# Altium PCB HIVE_BOARD.PcbDoc (part 1 of 9) (continued)
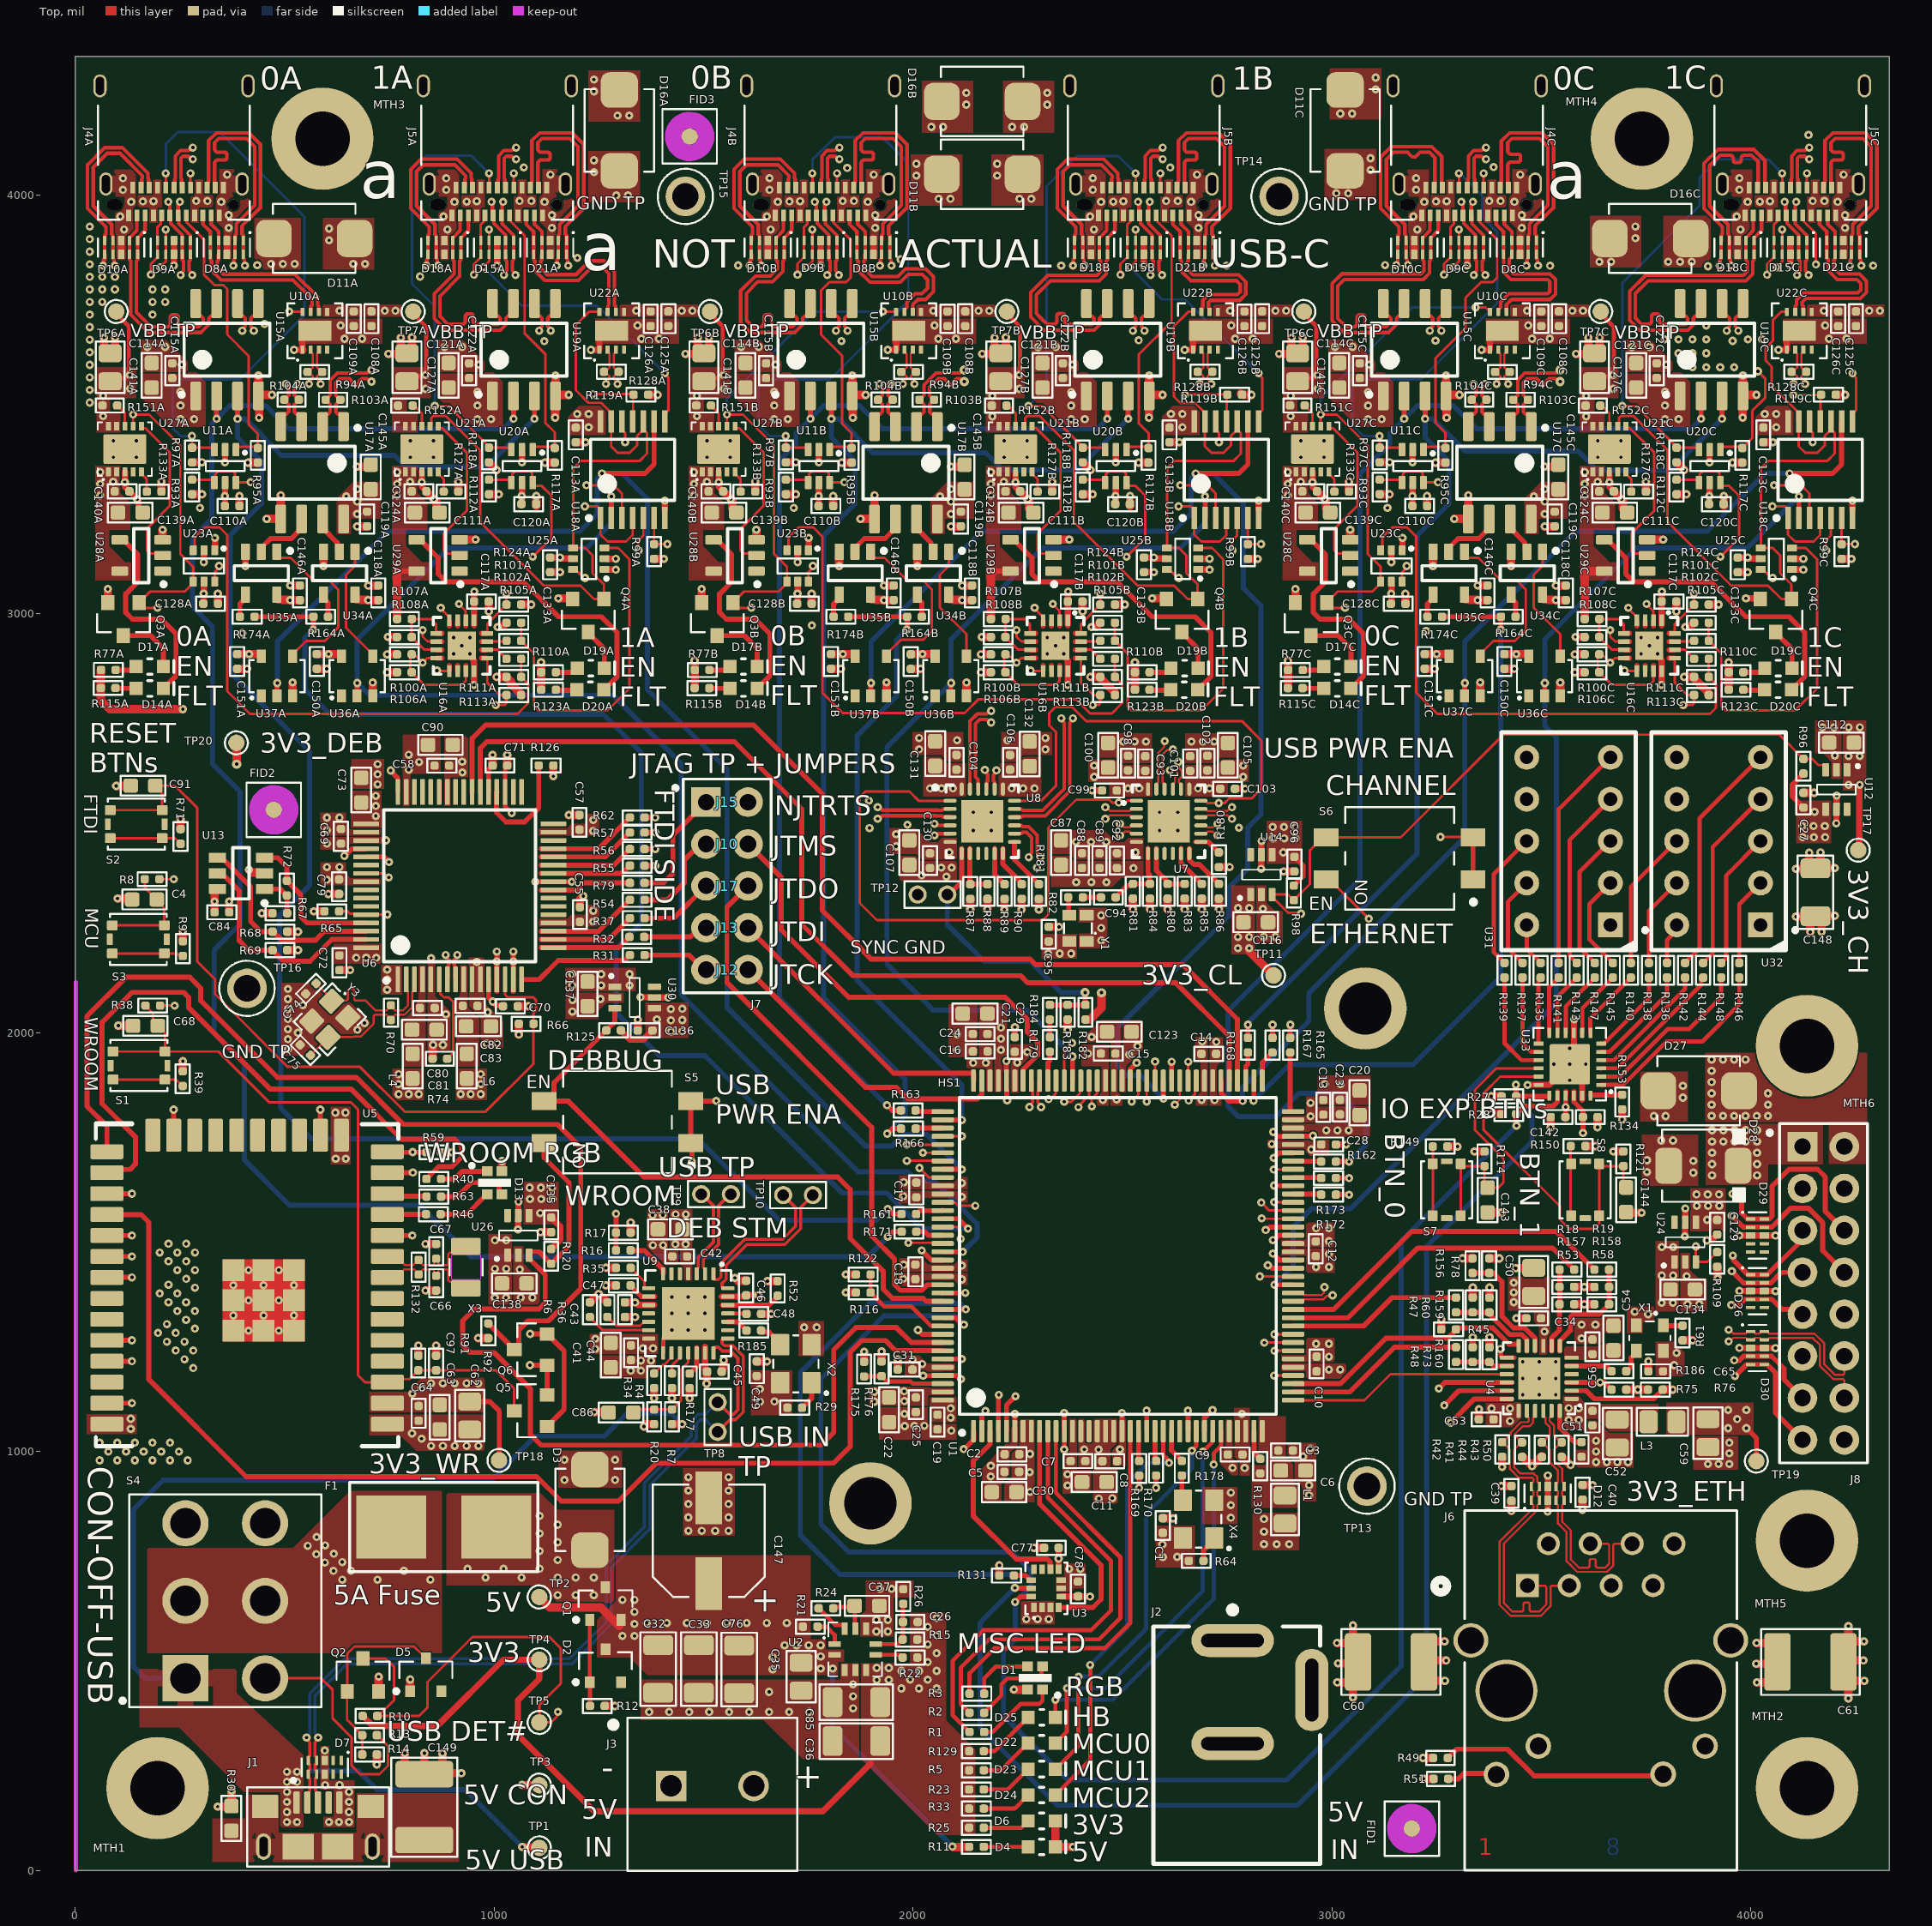
[diagram p0: Top view]
## Classes and differential pairs (continued)
differential pair BB_SPI_CLK_0A: +BB_SPI_CLK_0A_P -BB_SPI_CLK_0A_N
differential pair BB_CLK_1C: +BB_CLK_1B_P -BB_CLK_1B_N
differential pair BB_CLK_1B: +BB_CLK_1C_P -BB_CLK_1C_N
differential pair BB_CLK_1A: +BB_CLK_1A_P -BB_CLK_1A_N
differential pair BB_CLK_0C: +BB_CLK_0B_P -BB_CLK_0B_N
differential pair BB_CLK_0B: +BB_CLK_0C_P -BB_CLK_0C_N
differential pair BB_CLK_0A: +BB_CLK_0A_P -BB_CLK_0A_N
differential pair 32K_X: +32K_X_P -32K_X_N

## Components (designator, comment, footprint, x,y, rotation, side; value= is the part's Value field where it differs from the comment)
C1 "CGA2B3X7R1E104K050BB" CAP_CER_0402 2596.31,823.57 r270 top value=100nF
C2 "CGA2B3X7R1E104K050BB" CAP_CER_0402 2236.45,993.6 r180 top value=100nF
C3 "CGA2B3X7R1E104K050BB" CAP_CER_0402 2889.48,1002.67 r180 top value=100nF
C4 "C0603C105K8PACTU" CAP_CER_0603 165.73,2317.75 r180 top value=1uF
C5 "CGA2B3X7R1E104K050BB" CAP_CER_0402 2235.95,951.6 r0 top value=100nF
C6 "C0603C105K8PACTU" CAP_CER_0603 2907.48,954.67 r0 top value=1uF
C7 "CGA2B3X7R1E104K050BB" CAP_CER_0402 2393.91,977.37 r0 top value=100nF
C8 "CGA2B3X7R1E104K050BB" CAP_CER_0402 2469.78,977.19 r180 top value=100nF
C9 "CGA2B3X7R1E104K050BB" CAP_CER_0402 2769,993 r0 top value=100nF
C10 "CGA2B3X7R1E104K050BB" CAP_CER_0402 2963.39,1209.17 r270 top value=100nF
C11 "CL10A475MA8NQNC" CAP_CER_0603 2432.92,927.21 r180 top value=4.7uF
C12 "CGA2B3X7R1E104K050BB" CAP_CER_0402 2961.42,1484.08 r270 top value=100nF
C13 "CGA2B3X7R1E104K050BB" CAP_CER_0402 2979.62,1821.75 r90 top value=100nF
C14 "CGA2B3X7R1E104K050BB" CAP_CER_0402 2705.91,1949.37 r180 top value=100nF
C15 "CGA2B3X7R1E104K050BB" CAP_CER_0402 2466,1950 r0 top value=100nF
C16 "CGA2B3X7R1E104K050BB" CAP_CER_0402 2160.6,1955.27 r180 top value=100nF
C17 "CGA2B3X7R1E104K050BB" CAP_CER_0402 2008.01,1624.47 r90 top value=100nF
C18 "CGA2B3X7R1E104K050BB" CAP_CER_0402 2005.72,1428.95 r90 top value=100nF
C19 "CGA2B3X7R1E104K050BB" CAP_CER_0402 2058.65,1070.52 r270 top value=100nF
C20 "CL10A475MA8NQNC" CAP_CER_0603 3066.07,1832.49 r270 top value=4.7uF
C21 "CL10A475MA8NQNC" CAP_CER_0603 2148.33,2045.47 r0 top value=4.7uF
C22 "CL10A475MA8NQNC" CAP_CER_0603 1943,1100 r90 top value=4.7uF
C23 "CGA2B3X7R1E104K050BB" CAP_CER_0402 3019.31,1822.28 r270 top value=100nF
C24 "CGA2B3X7R1E104K050BB" CAP_CER_0402 2160.37,1996.65 r0 top value=100nF
C25 "CGA2B3X7R1E104K050BB" CAP_CER_0402 2006.96,1111.81 r90 top value=100nF
C26 "CL05C390JB51PNC" CAP_CER_0402 1993.74,593.33 r0 top value=39pF
C27 "CGA2B3X7R1E104K050BB" CAP_CER_0402 4125.61,2554.92 r90 top value=100nF
C28 "C1005X5R1V225K050BC" CAP_CER_0402 2992.17,1732.94 r180 top value=2.2uF
C29 "C1005X5R1V225K050BC" CAP_CER_0402 2243,1971.78 r270 top value=2.2uF
C30 "C0603C105K8PACTU" CAP_CER_0603 2217.68,903.31 r180 top value=1uF
C31 "C1005X5R1V225K050BC" CAP_CER_0402 1981.25,1195.75 r0 top value=2.2uF
C32 "CL31A226KAHNNNE" CAP_CER_1206 1391.88,481.11 r90 top value=22uF
C33 "CL31A226KAHNNNE" CAP_CER_1206 1488.88,481.11 r90 top value=22uF
C34 "CGA2B3X7R1E104K050BB" CAP_CER_0402 3481.75,1318.2 r0 top value=100nF
C35 "LMK212BJ106KG-T" CAP_CER_0805 1733.18,462.89 r90 top value=10uF
C36 "CL31A226KAHNNNE" CAP_CER_1206 1865,308.95 r0 top value=22uF
C37 "C0603C105K8PACTU" CAP_CER_0603 1890.26,631.98 r0 top value=1uF
C38 "C0603C105K8PACTU" CAP_CER_0603 1420.77,1530.6 r180 top value=1uF
C39 "CGA2B3X7R1E104K050BB" CAP_CER_0402 3428.59,900.16 r90 top value=100nF
C40 "CGA2B3X7R1E104K050BB" CAP_CER_0402 3598.28,902.91 r90 top value=100nF
C41 "CL10A475KP8NNNC" CAP_CER_0603 1278.71,1230.34 r90 top value=4.7uF
C42 "CGA2B3X7R1E104K050BB" CAP_CER_0402 1443.22,1465.83 r0 top value=100nF
C43 "CGA2B3X7R1E104K050BB" CAP_CER_0402 1312.47,1338.7 r90 top value=100nF
C44 "CGA2B3X7R1E104K050BB" CAP_CER_0402 1327.02,1236.06 r90 top value=100nF
C45 "CGA2B3X7R1E104K050BB" CAP_CER_0402 1525.92,1190.98 r180 top value=100nF
C46 "CGA2B3X7R1E104K050BB" CAP_CER_0402 1601.82,1390.46 r270 top value=100nF
C47 "CGA2B3X7R1E104K050BB" CAP_CER_0402 1308.58,1396.59 r0 top value=100nF
C48 "CGA2B3X7R1E104K050BB" CAP_CER_0402 1620.14,1328.59 r180 top value=100nF
C49 "CGA2B3X7R1E104K050BB" CAP_CER_0402 1627.33,1197.73 r270 top value=100nF
C50 "LMK212BJ106KG-T" CAP_CER_0805 3481.76,1404.82 r270 top value=10uF
C51 "CGA2B3X7R1E104K050BB" CAP_CER_0402 3622,1080 r270 top value=100nF
C52 "LMK212BJ106KG-T" CAP_CER_0805 3681,1043 r270 top value=10uF
C53 "CGA2B3X7R1E104K050BB" CAP_CER_0402 3368.3,1076.81 r180 top value=100nF
C54 "C0603C105K8PACTU" CAP_CER_0603 3672,1271 r270 top value=1uF
C55 "CGA2B3X7R1E104K050BB" CAP_CER_0402 1205,2282 r90 top value=100nF
C56 "CC0402KRX7R9BB471" CAP_CER_0402 3622,1250 r270 top value=470pF
C57 "CGA2B3X7R1E104K050BB" CAP_CER_0402 1204,2502 r90 top value=100nF
C58 "CGA2B3X7R1E104K050BB" CAP_CER_0402 875.6,2637.31 r180 top value=100nF
C59 "LMK212BJ106KG-T" CAP_CER_0805 3897.75,1044.27 r90 top value=10uF
C60 "885342211009" CAP_CER_1812 3141,498 r180 top value=1nF
C61 "885342211009" CAP_CER_1812 4142.26,498 r0 top value=1nF
C62 "LMK212BJ106KG-T" CAP_CER_0805 941.98,1085.91 r90 top value=10uF
C63 "C0603C105K8PACTU" CAP_CER_0603 870.64,1082.05 r270 top value=1uF
C64 "CGA2B3X7R1E104K050BB" CAP_CER_0402 820.11,1091.27 r90 top value=100nF
C65 "CGA2B3X7R1E104K050BB" CAP_CER_0402 3772.85,1191.57 r180 top value=100nF
C66 "CC0402DRNPO9BN8R0" CAP_CER_0402 862.01,1402.03 r90 top value=8pF
C67 "CC0402DRNPO9BN8R0" CAP_CER_0402 862.01,1478.03 r270 top value=8pF
C68 "C0603C105K8PACTU" CAP_CER_0603 167.79,2016.32 r180 top value=1uF
C69 "CGA2B3X7R1E104K050BB" CAP_CER_0402 634.69,2468.75 r270 top value=100nF
C70 "CGA2B3X7R1E104K050BB" CAP_CER_0402 1039,2063 r0 top value=100nF
C71 "CGA2B3X7R1E104K050BB" CAP_CER_0402 1014.1,2637.43 r0 top value=100nF
C72 "CGA2B3X7R1E104K050BB" CAP_CER_0402 631,2166.83 r270 top value=100nF
C73 "C1608X5R1C335K080AC" CAP_CER_0603 683.22,2578.86 r270 top value=3.3uF
C74 "CC0402JRNPO9BN120" CAP_CER_0402 563.01,2104.97 r45 top value=12pF
C75 "CC0402JRNPO9BN120" CAP_CER_0402 549.63,1958.37 r315 top value=12pF
C76 "CL31A226KAHNNNE" CAP_CER_1206 1585.28,480.14 r90 top value=22uF
C77 "CGA2B3X7R1E104K050BB" CAP_CER_0402 2330.3,770.18 r180 top value=100nF
C78 "CGA2B3X7R1E104K050BB" CAP_CER_0402 2393.91,672.21 r90 top value=100nF
C79 "CGA2B3X7R1E104K050BB" CAP_CER_0402 630.1,2348.32 r270 top value=100nF
C80 "CGA2B3X7R1E104K050BB" CAP_CER_0402 841,2059 r0 top value=100nF
C81 "CL10A475MA8NQNC" CAP_CER_0603 833.72,2007.12 r180 top value=4.7uF
C82 "CGA2B3X7R1E104K050BB" CAP_CER_0402 943,2064 r0 top value=100nF
C83 "CL10A475MA8NQNC" CAP_CER_0603 963,2015 r180 top value=4.7uF
C84 "CGA2B3X7R1E104K050BB" CAP_CER_0402 350.45,2287.33 r0 top value=100nF
C85 "CL31A226KAHNNNE" CAP_CER_1206 1865,402 r0 top value=22uF
C86 "C0603C105K8PACTU" CAP_CER_0603 1302.95,1093.1 r180 top value=1uF
C87 "C0603C105K8PACTU" CAP_CER_0603 2353.39,2429.6 r270 top value=1uF
C88 "GRM155R71E473KA88J" CAP_CER_0402 2403.55,2410.61 r90 top value=47nF
C89 "GRM155R71E473KA88J" CAP_CER_0402 2445.21,2410.61 r90 top value=47nF
C90 "C0603C105K8PACTU" CAP_CER_0603 872,2687 r180 top value=1uF
C91 "C0603C105K8PACTU" CAP_CER_0603 162.08,2589.47 r180 top value=1uF
C92 "CL05B472KB5VPNC" CAP_CER_0402 2487.1,2410.61 r90 top value=4.7nF
C93 "CL05B472KB5VPNC" CAP_CER_0402 2554.54,2642.36 r270 top value=4.7nF
C94 "CGA2B3X7R1E104K050BB" CAP_CER_0402 2466.35,2322.95 r180 top value=100nF
C95 "CGA2B3X7R1E104K050BB" CAP_CER_0402 2324.22,2235.02 r270 top value=100nF
C96 "CGA2B3X7R1E104K050BB" CAP_CER_0402 2910.34,2402.19 r270 top value=100nF
C97 "CGA2B3X7R1E104K050BB" CAP_CER_0402 819.38,1211.44 r270 top value=100nF
C98 "GRM155R71E473KA88J" CAP_CER_0402 2513.33,2643.36 r270 top value=47nF
C99 "GRM155R71E473KA88J" CAP_CER_0402 2469,2578 r0 top value=47nF
C100 "C0603C105K8PACTU" CAP_CER_0603 2465.54,2662.05 r90 top value=1uF
C101 "CL05B472KB5VPNC" CAP_CER_0402 2661.71,2642.36 r270 top value=4.7nF
C102 "GRM155R71E473KA88J" CAP_CER_0402 2702.73,2643.36 r270 top value=47nF
C103 "GRM155R71E473KA88J" CAP_CER_0402 2751,2582 r180 top value=47nF
C104 "CGA2B3X7R1E104K050BB" CAP_CER_0402 2103.91,2645.29 r270 top value=100nF
C105 "C0603C105K8PACTU" CAP_CER_0603 2751.77,2662.05 r90 top value=1uF
C106 "CGA2B3X7R1E104K050BB" CAP_CER_0402 2231.85,2645.29 r270 top value=100nF
C107 "C0603C105K8PACTU" CAP_CER_0603 1991.42,2429.6 r270 top value=1uF
C108A "GRM155R71E473KA88J" CAP_CER_0402 707.45,3704.1 r90 top value=47nF (schematic designator C108)
C108B "GRM155R71E473KA88J" CAP_CER_0402 2124.77,3704.1 r90 top value=47nF (schematic designator C108)
C108C "GRM155R71E473KA88J" CAP_CER_0402 3542.09,3704.1 r90 top value=47nF (schematic designator C108)
C109A "CL05B472KB5VPNC" CAP_CER_0402 665.18,3704 r90 top value=4.7nF (schematic designator C109)
C109B "CL05B472KB5VPNC" CAP_CER_0402 2082.5,3704 r90 top value=4.7nF (schematic designator C109)
C109C "CL05B472KB5VPNC" CAP_CER_0402 3499.82,3704 r90 top value=4.7nF (schematic designator C109)
C110A "CGA2B3X7R1E104K050BB" CAP_CER_0402 375,3257 r0 top value=100nF (schematic designator C110)
C110B "CGA2B3X7R1E104K050BB" CAP_CER_0402 1792.32,3257 r0 top value=100nF (schematic designator C110)
C110C "CGA2B3X7R1E104K050BB" CAP_CER_0402 3209.65,3257 r0 top value=100nF (schematic designator C110)
C111A "CL10A475KP8NNNC" CAP_CER_0603 840.46,3241.48 r0 top value=4.7uF (schematic designator C111)
C111B "CL10A475KP8NNNC" CAP_CER_0603 2257.78,3241.48 r0 top value=4.7uF (schematic designator C111)
C111C "CL10A475KP8NNNC" CAP_CER_0603 3675.1,3241.48 r0 top value=4.7uF (schematic designator C111)
C112 "CL10A475KP8NNNC" CAP_CER_0603 4216.26,2692.24 r180 top value=4.7uF
C113A "CGA2B3X7R1E104K050BB" CAP_CER_0402 1195.1,3426.72 r90 top value=100nF (schematic designator C113)
C113B "CGA2B3X7R1E104K050BB" CAP_CER_0402 2612.42,3426.72 r90 top value=100nF (schematic designator C113)
C113C "CGA2B3X7R1E104K050BB" CAP_CER_0402 4029.74,3426.72 r90 top value=100nF (schematic designator C113)
C114A "CL10A475KP8NNNC" CAP_CER_0603 183,3569 r90 top value=4.7uF (schematic designator C114)
C114B "CL10A475KP8NNNC" CAP_CER_0603 1600.32,3569 r90 top value=4.7uF (schematic designator C114)
C114C "CL10A475KP8NNNC" CAP_CER_0603 3017.65,3569 r90 top value=4.7uF (schematic designator C114)
C115A "JMK105B7474KVHF" CAP_CER_0402 232,3580 r90 top value=470nF (schematic designator C115)
C115B "JMK105B7474KVHF" CAP_CER_0402 1649.32,3580 r90 top value=470nF (schematic designator C115)
C115C "JMK105B7474KVHF" CAP_CER_0402 3066.65,3580 r90 top value=470nF (schematic designator C115)
C116 "CL10A475KP8NNNC" CAP_CER_0603 2818.19,2263.52 r0 top value=4.7uF
C117A "CGA2B3X7R1E104K050BB" CAP_CER_0402 969.95,3029.08 r180 top value=100nF (schematic designator C117)
C117B "CGA2B3X7R1E104K050BB" CAP_CER_0402 2387.27,3029.08 r180 top value=100nF (schematic designator C117)
C117C "CGA2B3X7R1E104K050BB" CAP_CER_0402 3804.59,3029.08 r180 top value=100nF (schematic designator C117)
C118A "JMK105B7474KVHF" CAP_CER_0402 723.82,3049.75 r90 top value=470nF (schematic designator C118)
C118B "JMK105B7474KVHF" CAP_CER_0402 2141.15,3049.75 r90 top value=470nF (schematic designator C118)
C118C "JMK105B7474KVHF" CAP_CER_0402 3558.47,3049.75 r90 top value=470nF (schematic designator C118)
C119A "JMK105B7474KVHF" CAP_CER_0402 697.11,3226.05 r270 top value=470nF (schematic designator C119)
C119B "JMK105B7474KVHF" CAP_CER_0402 2114.44,3226.05 r270 top value=470nF (schematic designator C119)
C119C "JMK105B7474KVHF" CAP_CER_0402 3531.76,3226.05 r270 top value=470nF (schematic designator C119)
C120A "CGA2B3X7R1E104K050BB" CAP_CER_0402 1082.92,3261.51 r0 top value=100nF (schematic designator C120)
C120B "CGA2B3X7R1E104K050BB" CAP_CER_0402 2500.24,3261.51 r0 top value=100nF (schematic designator C120)
C120C "CGA2B3X7R1E104K050BB" CAP_CER_0402 3917.56,3261.51 r0 top value=100nF (schematic designator C120)
C121A "CL10A475KP8NNNC" CAP_CER_0603 891.67,3569 r90 top value=4.7uF (schematic designator C121)
C121B "CL10A475KP8NNNC" CAP_CER_0603 2309,3569 r90 top value=4.7uF (schematic designator C121)
C121C "CL10A475KP8NNNC" CAP_CER_0603 3726.32,3569 r90 top value=4.7uF (schematic designator C121)
C122A "JMK105B7474KVHF" CAP_CER_0402 940.67,3580 r90 top value=470nF (schematic designator C122)
C122B "JMK105B7474KVHF" CAP_CER_0402 2358,3580 r90 top value=470nF (schematic designator C122)
C122C "JMK105B7474KVHF" CAP_CER_0402 3775.32,3580 r90 top value=470nF (schematic designator C122)
C123 "CL10A475MA8NQNC" CAP_CER_0603 2492.5,2002 r0 top value=4.7uF
C124A "CGA2B3X7R1E104K050BB" CAP_CER_0402 820.94,3292.02 r180 top value=100nF (schematic designator C124)
C124B "CGA2B3X7R1E104K050BB" CAP_CER_0402 2238.26,3292.02 r180 top value=100nF (schematic designator C124)
C124C "CGA2B3X7R1E104K050BB" CAP_CER_0402 3655.59,3292.02 r180 top value=100nF (schematic designator C124)
C125A "GRM155R71E473KA88J" CAP_CER_0402 1416.11,3704.1 r90 top value=47nF (schematic designator C125)
C125B "GRM155R71E473KA88J" CAP_CER_0402 2833.43,3704.1 r90 top value=47nF (schematic designator C125)
C125C "GRM155R71E473KA88J" CAP_CER_0402 4250.75,3704.1 r90 top value=47nF (schematic designator C125)
C126A "CL05B472KB5VPNC" CAP_CER_0402 1373.84,3704 r90 top value=4.7nF (schematic designator C126)
C126B "CL05B472KB5VPNC" CAP_CER_0402 2791.16,3704 r90 top value=4.7nF (schematic designator C126)
C126C "CL05B472KB5VPNC" CAP_CER_0402 4208.49,3704 r90 top value=4.7nF (schematic designator C126)
C127A "LMK212BJ106KG-T" CAP_CER_0805 792.31,3588.02 r270 top value=10uF (schematic designator C127)
C127B "LMK212BJ106KG-T" CAP_CER_0805 2209.64,3588.02 r270 top value=10uF (schematic designator C127)
C127C "LMK212BJ106KG-T" CAP_CER_0805 3626.96,3588.02 r270 top value=10uF (schematic designator C127)
C128A "CGA2B3X7R1E104K050BB" CAP_CER_0402 323.58,3023.72 r180 top value=100nF (schematic designator C128)
C128B "CGA2B3X7R1E104K050BB" CAP_CER_0402 1740.9,3023.72 r180 top value=100nF (schematic designator C128)
C128C "CGA2B3X7R1E104K050BB" CAP_CER_0402 3158.22,3023.72 r180 top value=100nF (schematic designator C128)
C129 "CGA2B3X7R1E104K050BB" CAP_CER_0402 3919.67,1535.43 r270 top value=100nF
C130 "CGA2B3X7R1E104K050BB" CAP_CER_0402 2040.62,2410.61 r90 top value=100nF
C131 "C0603C105K8PACTU" CAP_CER_0603 2053,2666 r90 top value=1uF
C132 "C0603C105K8PACTU" CAP_CER_0603 2278.65,2665.52 r90 top value=1uF
C133A "CGA2B3X7R1E104K050BB" CAP_CER_0402 1134.12,3116.59 r90 top value=100nF (schematic designator C133)
C133B "CGA2B3X7R1E104K050BB" CAP_CER_0402 2551.44,3116.59 r90 top value=100nF (schematic designator C133)
C133C "CGA2B3X7R1E104K050BB" CAP_CER_0402 3968.76,3116.59 r90 top value=100nF (schematic designator C133)
C134 "CL10A475KP8NNNC" CAP_CER_0603 3837.36,1386.9 r0 top value=4.7uF
C135 "CGA2B3X7R1E104K050BB" CAP_CER_0402 1136.63,1541.2 r270 top value=100nF
C136 "CGA2B3X7R1E104K050BB" CAP_CER_0402 1360.74,2005.24 r180 top value=100nF
C137 "CL10A475KP8NNNC" CAP_CER_0603 1223.28,2092.53 r270 top value=4.7uF
C138 "CL10A475KP8NNNC" CAP_CER_0603 1048.39,1401.63 r0 top value=4.7uF
C139A "CL10A475KP8NNNC" CAP_CER_0603 131.8,3241.48 r0 top value=4.7uF (schematic designator C139)
C139B "CL10A475KP8NNNC" CAP_CER_0603 1549.12,3241.48 r0 top value=4.7uF (schematic designator C139)
C139C "CL10A475KP8NNNC" CAP_CER_0603 2966.44,3241.48 r0 top value=4.7uF (schematic designator C139)
C140A "CGA2B3X7R1E104K050BB" CAP_CER_0402 112.28,3292.02 r180 top value=100nF (schematic designator C140)
C140B "CGA2B3X7R1E104K050BB" CAP_CER_0402 1529.6,3292.02 r180 top value=100nF (schematic designator C140)
C140C "CGA2B3X7R1E104K050BB" CAP_CER_0402 2946.92,3292.02 r180 top value=100nF (schematic designator C140)
C141A "LMK212BJ106KG-T" CAP_CER_0805 83.65,3588.02 r270 top value=10uF (schematic designator C141)
C141B "LMK212BJ106KG-T" CAP_CER_0805 1500.98,3588.02 r270 top value=10uF (schematic designator C141)
C141C "LMK212BJ106KG-T" CAP_CER_0805 2918.3,3588.02 r270 top value=10uF (schematic designator C141)
C142 "CGA2B3X7R1E104K050BB" CAP_CER_0402 3539.72,1798.47 r180 top value=100nF
C143 "C0603C105K8PACTU" CAP_CER_0603 3371.55,1600.36 r270 top value=1uF
C144 "C0603C105K8PACTU" CAP_CER_0603 3702.4,1601.04 r270 top value=1uF
C145A "CL10A475KP8NNNC" CAP_CER_0603 705.98,3326.16 r90 top value=4.7uF (schematic designator C145)
C145B "CL10A475KP8NNNC" CAP_CER_0603 2123.31,3326.16 r90 top value=4.7uF (schematic designator C145)
C145C "CL10A475KP8NNNC" CAP_CER_0603 3540.63,3326.16 r90 top value=4.7uF (schematic designator C145)
C146A "JMK105B7474KVHF" CAP_CER_0402 536.82,3049.75 r90 top value=470nF (schematic designator C146)
C146B "JMK105B7474KVHF" CAP_CER_0402 1954.15,3049.75 r90 top value=470nF (schematic designator C146)
C146C "JMK105B7474KVHF" CAP_CER_0402 3371.47,3049.75 r90 top value=470nF (schematic designator C146)
C147 "APXG160ARA221MF80G" CAP_POLY_APXG160ARA221MF80G 1512.5,787.07 r90 top value=220uF
C148 "CL31A226KAHNNNE" CAP_CER_1206 4154.16,2335.09 r90 top value=22uF
C149 "885342211009" CAP_CER_1812 833.73,151.42 r270 top value=1nF
C150A "CGA2B3X7R1E104K050BB" CAP_CER_0402 577,2886 r270 top value=100nF (schematic designator C150)
C150B "CGA2B3X7R1E104K050BB" CAP_CER_0402 1994.73,2885.51 r270 top value=100nF (schematic designator C150)
C150C "CGA2B3X7R1E104K050BB" CAP_CER_0402 3411.65,2886 r270 top value=100nF (schematic designator C150)
C151A "CGA2B3X7R1E104K050BB" CAP_CER_0402 387,2886 r270 top value=100nF (schematic designator C151)
C151B "CGA2B3X7R1E104K050BB" CAP_CER_0402 1804.32,2886 r270 top value=100nF (schematic designator C151)
C151C "CGA2B3X7R1E104K050BB" CAP_CER_0402 3221.65,2886 r270 top value=100nF (schematic designator C151)
D1 "EAST1616RGBA3" DIO_EAST1616RGBA3 2291.56,459.58 r270 top value=24MHz
D2 "BZX84-B4V3,215" DIO_ZENER_BZX84-B4V3,215 1266,488.87 r90 top value=4.3V
D3 "SMBJ5.0CA" TVS_PWR_SMBJ5.0CA 1229,861 r90 top value="Vbr = 6.4V -  Clamp = 9.2V"
D4 "SML-D12P8WT86" LED_SML-D12P8WT86 2307.39,56.51 r180 top value="560 nm (green)"
D5 "BZX84-B4V3,215" DIO_ZENER_BZX84-B4V3,215 837.49,467.24 r90 top value=4.3V
D6 "SML-D12P8WT86" LED_SML-D12P8WT86 2307.39,118.35 r180 top value="560 nm (green)"
D7 "DT1140-04LP-7" TVS_DATA_DT1140-04LP-7 596.31,246.44 r270 top value="5.5V @ 1mA (Reverse Standoff)"
D8A "DT1140-04LP-7" TVS_DATA_DT1140-04LP-7 362.2,3874.02 r270 top value="5.5V @ 1mA (Reverse Standoff)" (schematic designator D8)
D8B "DT1140-04LP-7" TVS_DATA_DT1140-04LP-7 1905.51,3874.02 r270 top value="5.5V @ 1mA (Reverse Standoff)" (schematic designator D8)
D8C "DT1140-04LP-7" TVS_DATA_DT1140-04LP-7 3448.82,3874.02 r270 top value="5.5V @ 1mA (Reverse Standoff)" (schematic designator D8)
D9A "DT1140-04LP-7" TVS_DATA_DT1140-04LP-7 236.21,3874.02 r270 top value="5.5V @ 1mA (Reverse Standoff)" (schematic designator D9)
D9B "DT1140-04LP-7" TVS_DATA_DT1140-04LP-7 1779.53,3874.02 r270 top value="5.5V @ 1mA (Reverse Standoff)" (schematic designator D9)
D9C "DT1140-04LP-7" TVS_DATA_DT1140-04LP-7 3322.83,3874.02 r270 top value="5.5V @ 1mA (Reverse Standoff)" (schematic designator D9)
D10A "DT1140-04LP-7" TVS_DATA_DT1140-04LP-7 110.24,3874.02 r270 top value="5.5V @ 1mA (Reverse Standoff)" (schematic designator D10)
D10B "DT1140-04LP-7" TVS_DATA_DT1140-04LP-7 1653.54,3874.02 r270 top value="5.5V @ 1mA (Reverse Standoff)" (schematic designator D10)
D10C "DT1140-04LP-7" TVS_DATA_DT1140-04LP-7 3196.85,3874.02 r270 top value="5.5V @ 1mA (Reverse Standoff)" (schematic designator D10)
D11A "SMBJ5.0CA" TVS_PWR_SMBJ5.0CA 570.87,3895.67 r0 top locked value="Vbr = 6.4V -  Clamp = 9.2V" (schematic designator D11)
D11B "SMBJ5.0CA" TVS_PWR_SMBJ5.0CA 2165.25,4048.82 r0 top locked value="Vbr = 6.4V -  Clamp = 9.2V" (schematic designator D11)
D11C "SMBJ5.0CA" TVS_PWR_SMBJ5.0CA 3031.5,4153.54 r90 top locked value="Vbr = 6.4V -  Clamp = 9.2V" (schematic designator D11)
D12 "DT1140-04LP-7" TVS_DATA_DT1140-04LP-7 3515.26,899.98 r90 top value="5.5V @ 1mA (Reverse Standoff)"
D13 "EAST1616RGBA3" DIO_EAST1616RGBA3 1001.26,1641.54 r90 top value=24MHz
D14A "SML-D12U8WT86" LED_SML-D12U8WT86 178.35,2821.5 r180 top value="620 nm (red)" (schematic designator D14)
D14B "SML-D12U8WT86" LED_SML-D12U8WT86 1595.68,2821.5 r180 top value="620 nm (red)" (schematic designator D14)
D14C "SML-D12U8WT86" LED_SML-D12U8WT86 3013,2821.5 r180 top value="620 nm (red)" (schematic designator D14)
D15A "DT1140-04LP-7" TVS_DATA_DT1140-04LP-7 1007.87,3874.02 r270 top value="5.5V @ 1mA (Reverse Standoff)" (schematic designator D15)
D15B "DT1140-04LP-7" TVS_DATA_DT1140-04LP-7 2551.18,3874.02 r270 top value="5.5V @ 1mA (Reverse Standoff)" (schematic designator D15)
D15C "DT1140-04LP-7" TVS_DATA_DT1140-04LP-7 4094.49,3874.02 r270 top value="5.5V @ 1mA (Reverse Standoff)" (schematic designator D15)
D16A "SMBJ5.0CA" TVS_PWR_SMBJ5.0CA 1299.21,4153.54 r90 top locked value="Vbr = 6.4V -  Clamp = 9.2V" (schematic designator D16)
D16B "SMBJ5.0CA" TVS_PWR_SMBJ5.0CA 2165.3,4222.6 r180 top locked value="Vbr = 6.4V -  Clamp = 9.2V" (schematic designator D16)
D16C "SMBJ5.0CA" TVS_PWR_SMBJ5.0CA 3759.84,3895.67 r180 top locked value="Vbr = 6.4V -  Clamp = 9.2V" (schematic designator D16)
D17A "SML-D12P8WT86" LED_SML-D12P8WT86 178.35,2874 r180 top value="560 nm (green)" (schematic designator D17)
D17B "SML-D12P8WT86" LED_SML-D12P8WT86 1595.68,2874 r180 top value="560 nm (green)" (schematic designator D17)
D17C "SML-D12P8WT86" LED_SML-D12P8WT86 3013,2874 r180 top value="560 nm (green)" (schematic designator D17)
D18A "DT1140-04LP-7" TVS_DATA_DT1140-04LP-7 881.89,3874.02 r270 top value="5.5V @ 1mA (Reverse Standoff)" (schematic designator D18)
D18B "DT1140-04LP-7" TVS_DATA_DT1140-04LP-7 2425.2,3874.02 r270 top value="5.5V @ 1mA (Reverse Standoff)" (schematic designator D18)
D18C "DT1140-04LP-7" TVS_DATA_DT1140-04LP-7 3968.5,3874.02 r270 top value="5.5V @ 1mA (Reverse Standoff)" (schematic designator D18)
D19A "SML-D12P8WT86" LED_SML-D12P8WT86 1231,2870 r180 top value="560 nm (green)" (schematic designator D19)
D19B "SML-D12P8WT86" LED_SML-D12P8WT86 2648.32,2870 r180 top value="560 nm (green)" (schematic designator D19)
D19C "SML-D12P8WT86" LED_SML-D12P8WT86 4065.65,2870 r180 top value="560 nm (green)" (schematic designator D19)
D20A "SML-D12U8WT86" LED_SML-D12U8WT86 1230.23,2818.46 r180 top value="620 nm (red)" (schematic designator D20)
D20B "SML-D12U8WT86" LED_SML-D12U8WT86 2647.55,2818.46 r180 top value="620 nm (red)" (schematic designator D20)
D20C "SML-D12U8WT86" LED_SML-D12U8WT86 4064.87,2818.46 r180 top value="620 nm (red)" (schematic designator D20)
D21A "DT1140-04LP-7" TVS_DATA_DT1140-04LP-7 1133.86,3874.02 r270 top value="5.5V @ 1mA (Reverse Standoff)" (schematic designator D21)
D21B "DT1140-04LP-7" TVS_DATA_DT1140-04LP-7 2677.17,3874.02 r270 top value="5.5V @ 1mA (Reverse Standoff)" (schematic designator D21)
D21C "DT1140-04LP-7" TVS_DATA_DT1140-04LP-7 4220.47,3874.02 r270 top value="5.5V @ 1mA (Reverse Standoff)" (schematic designator D21)
D22 "SML-D12P8WT86" LED_SML-D12P8WT86 2307.39,303.88 r180 top value="560 nm (green)"
D23 "SML-D12P8WT86" LED_SML-D12P8WT86 2307.39,242.04 r180 top value="560 nm (green)"
D24 "SML-D12P8WT86" LED_SML-D12P8WT86 2307.39,180.2 r180 top value="560 nm (green)"
D25 "SML-D12P8WT86" LED_SML-D12P8WT86 2307.53,365.72 r180 top value="560 nm (green)"
D26 "DT1140-04LP-7" TVS_DATA_DT1140-04LP-7 4015.75,1383.13 r0 top value="5.5V @ 1mA (Reverse Standoff)"
D27 "SMBJ5.0CA" TVS_PWR_SMBJ5.0CA 3875.42,1861.26 r180 top value="Vbr = 6.4V -  Clamp = 9.2V"
D28 "SMLVT3V3" TVS_POW_SMLVT3V3 3886.82,1682.21 r180 top value="Vbr = 4.1V -  Clamp = 10.3V"
D29 "DT1140-04LP-7" TVS_DATA_DT1140-04LP-7 4015.75,1515.75 r0 top value="5.5V @ 1mA (Reverse Standoff)"
D30 "DT1140-04LP-7" TVS_DATA_DT1140-04LP-7 4015.75,1247.22 r0 top value="5.5V @ 1mA (Reverse Standoff)"
F1 "0154005.DR" FUS_0154XXX.DR 880,820 r0 top value="5A 125V AC/DC FAST"
FID1 "FID 1MM" FID_CIRCLE_1MM 3190.72,100.23 r0 top
FID2 "FID 1MM" FID_CIRCLE_1MM 474.34,2531.84 r0 top
FID3 "FID 1MM" FID_CIRCLE_1MM 1467,4139 r0 top
HS1 "ATS-CPX025025015-138-C2-R0" THE_HS_ATS-CPX025025015-138-C2-R0 2489.22,1467.1 r0 top locked
J1 "10118193-0001LF" CON_USB_10118194-0001LF 579.92,57 r0 top value="USB - Micro B"
J2 "54-00166" CON_PWR_PJ-002A 2763,302.94 r270 top value="2.10mm ID (0.083\"), 5.50mm OD (0.217\")"
J3 "1935161" "CON_ 1935161" 1422.91,201.83 r0 top
J4A "12401598E4#2A" CON_USB_3.2_TypeC_12401598E4#2A 236.21,3976.37 r180 top locked value="USB 3.2 Type C" (schematic designator J4)
J4B "12401598E4#2A" CON_USB_3.2_TypeC_12401598E4#2A 1779.52,3976.38 r180 top locked value="USB 3.2 Type C" (schematic designator J4)
J4C "12401598E4#2A" CON_USB_3.2_TypeC_12401598E4#2A 3322.83,3976.37 r180 top locked value="USB 3.2 Type C" (schematic designator J4)
J5A "12401598E4#2A" CON_USB_3.2_TypeC_12401598E4#2A 1007.87,3976.37 r180 top locked value="USB 3.2 Type C" (schematic designator J5)
J5B "12401598E4#2A" CON_USB_3.2_TypeC_12401598E4#2A 2551.18,3976.38 r180 top locked value="USB 3.2 Type C" (schematic designator J5)
J5C "12401598E4#2A" CON_USB_3.2_TypeC_12401598E4#2A 4094.49,3976.37 r180 top locked value="USB 3.2 Type C" (schematic designator J5)
J6 "J1B1211CCD" CON_ETH_J1B1211CCD_WIZ 3491.72,530.86 r0 top
J7 "PREC005DAAN-RC" CON_HDR_PREC009DAAN-RC 1556.25,2350.27 r0 top value=5x2
J8 "PREC008DAAN-RC" CON_HDR_PREC008DAAN-RC 4173.23,1377.95 r0 top value=8x2
J10 "SNT-100-BK-T-H" CON_JMP_SNT-100-BK-T-H 1556.25,2450.27 r180 top
J12 "SNT-100-BK-T-H" CON_JMP_SNT-100-BK-T-H 1556.25,2150.27 r180 top
J13 "SNT-100-BK-T-H" CON_JMP_SNT-100-BK-T-H 1556.25,2250.27 r180 top
J15 "SNT-100-BK-T-H" CON_JMP_SNT-100-BK-T-H 1556.25,2550.27 r180 top
J17 "SNT-100-BK-T-H" CON_JMP_SNT-100-BK-T-H 1556.25,2350.27 r180 top
L1 "MMZ2012Y202BT000" FER_0805 2888.21,861.9 r90 top value="2k @ 100MHz"
L3 "MMZ2012Y202BT000" FER_0805 3789,1071 r180 top value="2k @ 100MHz"
L4 "BLM18HE152SN1D" FER_0603 805.67,1919.95 r90 top value="1K5 @ 100MHz"
L6 "BLM18HE152SN1D" FER_0603 935.18,1919.95 r90 top value="1K5 @ 100MHz"
MTH1 "M3" MTH_M3 196.85,196.85 r0 top
MTH2 "M3" MTH_M3 4133.86,196.85 r0 top
MTH3 "M3" MTH_M3 590.55,4133.86 r0 top locked
MTH4 "M3" MTH_M3 3740.16,4133.86 r0 top locked
MTH5 "M3" MTH_M3 4133.86,787.4 r0 top
MTH6 "M3" MTH_M3 4133.86,1968.5 r0 top
Q1 "SI2369DS-T1-GE3" TRX_PMOS_SI2369DS-T1-GE3 1266,637 r90 top
Q2 "BSS138LT1G" TRX_NMOS_BSS138LT1G 687.19,466.97 r90 top
Q3A "BSS138LT1G" TRX_NMOS_BSS138LT1G 115.47,2987 r270 top (schematic designator Q3)
Q3B "BSS138LT1G" TRX_NMOS_BSS138LT1G 1532.79,2987 r270 top (schematic designator Q3)
Q3C "BSS138LT1G" TRX_NMOS_BSS138LT1G 2950.12,2987 r270 top (schematic designator Q3)
Q4A "BSS138LT1G" TRX_NMOS_BSS138LT1G 1224.9,2995.7 r270 top (schematic designator Q4)
Q4B "BSS138LT1G" TRX_NMOS_BSS138LT1G 2642.22,2995.7 r270 top (schematic designator Q4)
Q4C "BSS138LT1G" TRX_NMOS_BSS138LT1G 4059.54,2995.7 r270 top (schematic designator Q4)
Q5 "BSS138LT1G" TRX_NMOS_BSS138LT1G 1087.53,1097.36 r180 top
Q6 "BSS138LT1G" TRX_NMOS_BSS138LT1G 1087.53,1243.26 r180 top
R1 "ERJ-2RKF4750X" RES_0402 2152.53,330.68 r180 top value=475R
R2 "ERJ-2RKF4750X" RES_0402 2152.53,376.38 r180 top value=475R
R3 "RC0402FR-071KL" RES_0402 2152.53,422.08 r180 top value=1k
R4 "RC0402FR-0710KL" RES_0402 1424.85,1169.15 r90 top value=10k
R5 "ERJ-2RKF4750X" RES_0402 2151.59,239.29 r0 top value=475R
R6 "RC0402FR-0710KL" RES_0402 1228.92,1338.68 r270 top value=10k
R7 "RC0402FR-0710KL" RES_0402 1424.86,1082.98 r90 top value=10k
R8 "RC0402FR-071KL" RES_0402 183.83,2366.33 r0 top value=1k
R9 "RC0402FR-07150RL" RES_0402 257.29,2200.47 r270 top value=150R
R10 "RC0402FR-0710KL" RES_0402 704,369 r0 top value=10k
R11 "RC0402FR-071KL" RES_0402 2151.59,56.5 r0 top value=1k
R12 "RC0402FR-071KL" RES_0402 1246.65,392.92 r0 top value=1k
R13 "RC0402FR-0710KL" RES_0402 703,323 r0 top value=10k
R14 "RC0402FR-0710KL" RES_0402 703,277 r180 top value=10k
R15 "RC0402FR-0747KL" RES_0402 1992.93,551.48 r0 top value=47k
R16 "RC0402FR-0710KL" RES_0402 1308.56,1480.59 r180 top value=10k
R17 "RC0402FR-0710KL" RES_0402 1308.64,1522.59 r0 top value=10k
R18 "RMCF0402FT10R0" RES_0402 3560.94,1434.31 r0 top value=10R
R19 "RMCF0402FT10R0" RES_0402 3644.01,1434.31 r180 top value=10R
R20 "RC0402FR-0710KL" RES_0402 1382.25,1082.9 r270 top value=10k
R21 "RC0402FR-0710KL" RES_0402 1754.85,582.15 r180 top value=10k
R22 "RC0402FR-071KL" RES_0402 1992.93,508.47 r180 top value=1k
R23 "ERJ-2RKF4750X" RES_0402 2151.59,193.59 r0 top value=475R
R24 "RC0402FR-0710KL" RES_0402 1792.26,625.98 r0 top value=10k
R25 "ERJ-2RKF4750X" RES_0402 2151.51,102.2 r180 top value=475R
R26 "RC0402FR-0715KL" RES_0402 1976.84,654.1 r270 top value=15k
R27 "RC0402FR-071KL" RES_0402 3422.31,1847.8 r0 top value=1k
R28 "RC0402FR-071KL" RES_0402 3422.31,1805.53 r0 top value=1k
R29 "RC0402FR-0710KL" RES_0402 1717.89,1104.66 r0 top value=10k
R30 "RC0603JR-070RL" RES_0603 373.24,124.42 r270 top value=0R
R31 "RC0402FR-07100RP" RES_0402 1341.86,2185.11 r180 top value=100R
R32 "RC0402FR-07100RP" RES_0402 1340.87,2228.39 r180 top value=100R
R33 "ERJ-2RKF4750X" RES_0402 2151.59,147.89 r0 top value=475R
R34 "RC0402FR-07100KL" RES_0402 1382.24,1169.07 r270 top value=100k
R35 "RC0402FR-0710KL" RES_0402 1308.64,1438.59 r0 top value=10k
R36 "RC0402FR-0710KL" RES_0402 1270.69,1338.68 r270 top value=10k
R37 "RC0402FR-07100RP" RES_0402 1341.87,2273.27 r180 top value=100R
R38 "RC0402FR-071KL" RES_0402 185.49,2064.51 r0 top value=1k
R39 "RC0402FR-07150RL" RES_0402 257.08,1890.13 r270 top value=150R
R40 "ERJ-2RKF4750X" RES_0402 856.19,1650.7 r180 top value=475R
R41 "RC0402FR-0749R9L" RES_0402 3453.78,1004.58 r270 top value=49R9
R42 "RC0402FR-0749R9L" RES_0402 3406.43,1005.02 r270 top value=49R9
R43 "RC0402FR-0749R9L" RES_0402 3548.5,1004.58 r270 top value=49R9
R44 "RC0402FR-0749R9L" RES_0402 3501.14,1004.58 r270 top value=49R9
R45 "RC0402FR-071K5L" RES_0402 3278.45,1291.65 r180 top value=1k5
R46 "ERJ-2RKF4750X" RES_0402 855.18,1566.63 r180 top value=475R
R47 "RMCF0402FT10R0" RES_0402 3296.12,1349.98 r90 top value=10R
R48 "RMCF0402FT10R0" RES_0402 3296.12,1231.57 r90 top value=10R
R49 "RC0402FR-07270RL" FER_0402 3259,268.67 r0 top value=270
R50 "RC0402FR-0712K1L" RES_0402 3595.86,1005.1 r90 top value=12k1
R51 "RC0402FR-07270RL" FER_0402 3260.23,218.91 r0 top value=270
R52 "RC0402FR-0712KL" RES_0402 1677,1389.46 r270 top value=12k
R53 "RC0402FR-0710KL" RES_0402 3560.78,1351.58 r0 top value=10k